# Altium PCB Reefing.PcbDoc (part 2 of 2)
Units mil, origin at the board's own origin, x right, y up, seen from the top; angles counter-clockwise.
Board outline 1377.95 x 1968.5 mil, 6 copper layers (Top Layer, Mid Layer 1 (GND), Mid Layer 2 (SIG), Mid Layer 3 (PWR), Mid Layer 4 (GND), Bottom Layer), stack 62.874 mil thick; 159 components, 99 nets, 548 pads, 266 vias.
Unrouted connection lines stored in the file: 4.
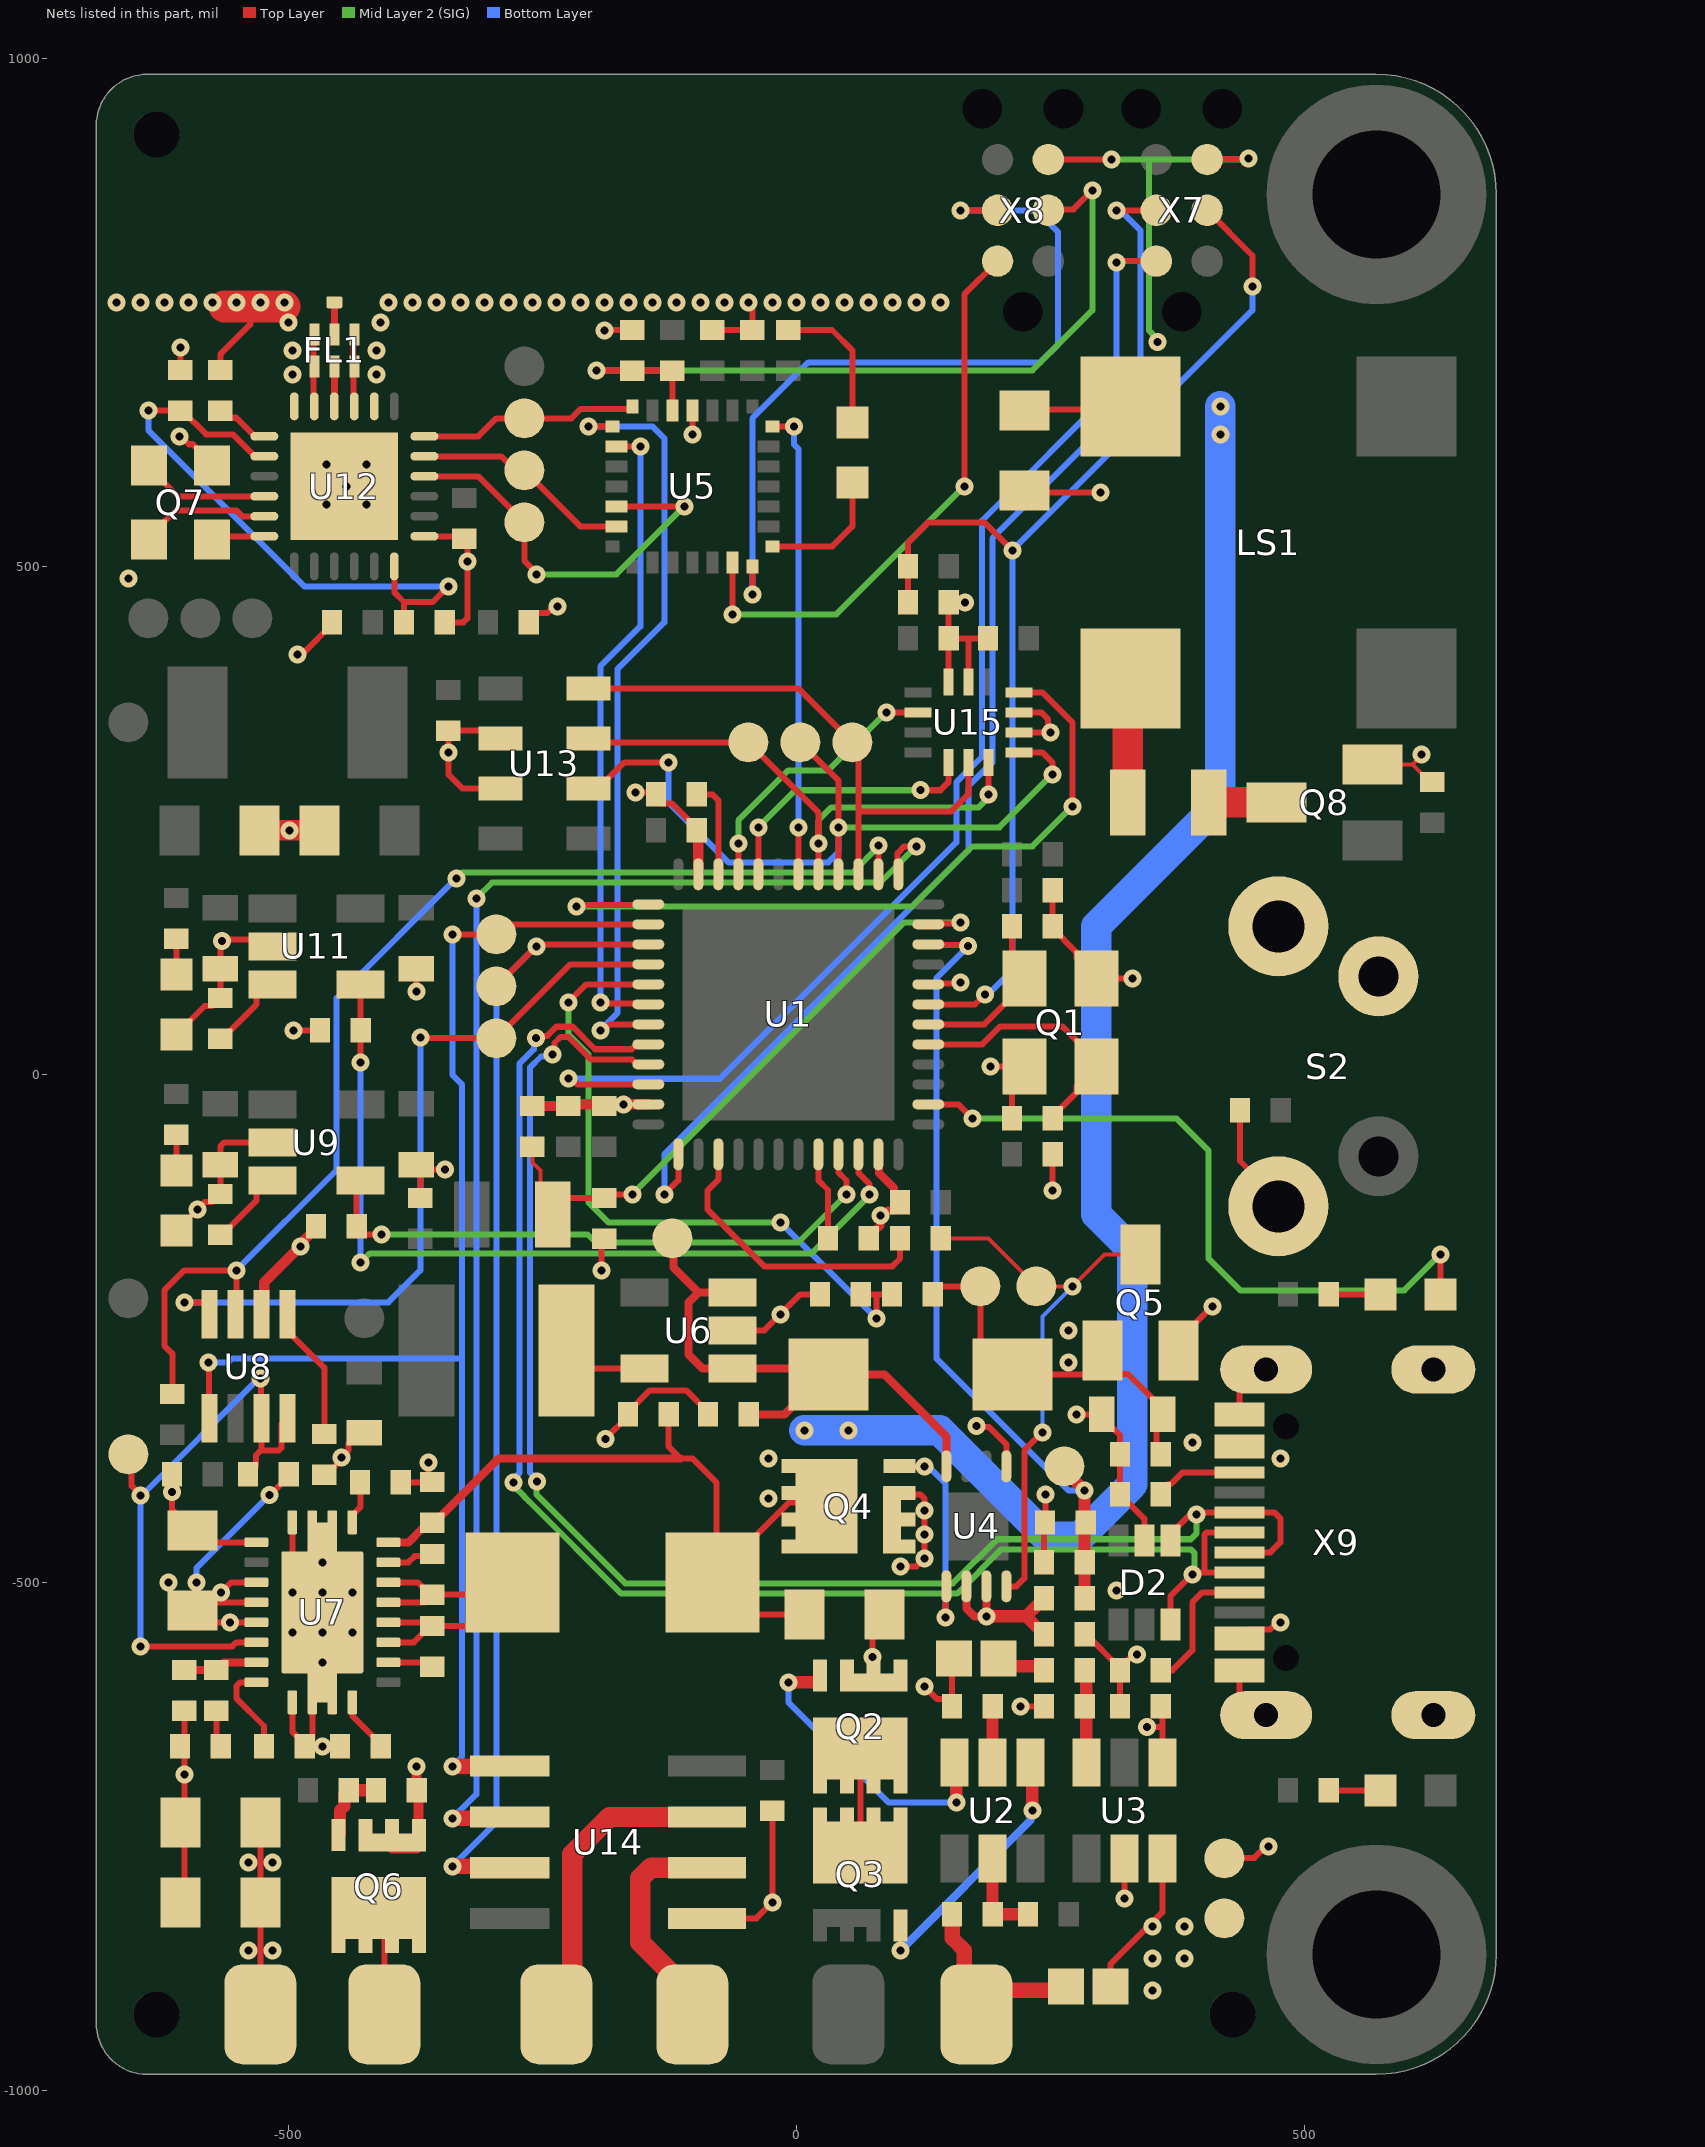
[diagram p6: the nets of this part, all layers, seen from the top]

## Via types
v1: diameter 17.72, hole 7.87, Top Layer to Bottom Layer, tented both sides, 258 vias
v2: diameter 17.72, hole 7.87, Top Layer to Bottom Layer, 8 vias

## Nets (pads, with @x,y where several pads share a name; then routed paths per layer and width w, separated by ;. In a path a pad name is that pad's centre, name@x,y a point inside that pad or via, vN(x,y) a via of type N, cw(c..) or ccw(c..) an arc to the next point about the centre after c; other vN are vias at no path point) (continued)
GND: C1.1 C2.1 C3.1 C4.1 C5.1 C6.1 C7.1 C8.1 C9.1 C10.1 C11.1 C13.1 C14.1 C15.1 C16.1 C17.1 C18.1 C19.1 C20.1 C21.1 C22.1 C23.1 C25.1 C26.1 C27.1 C28.1 C29.1 C30.1 C31.1 C32.1 C33.1 C34.1 C35.1 C36.1 C37.1 C38.1 C39.1 C40.1 C41.1 C42.1 C43.1 C44.1 C45.1 C46.1 C47.1 C48.1 C49.1 C50.1 C51.1 C52.1 D2.2 FL1.1 FL1.3 FL1.4 FL1.6 JP2.2 P4.K P6.K Q1.3 Q2.S Q5.S Q6.S Q7.3 Q8.S R3.1 R7.1 R8.1 R10.1 R12.1 R19.1 R20.1 R21.1 R24.1 R25.1 R29.1 R30.1 R32.1 R33.1 R34.2 R36.1 R38.1 S2.1 S2.3 TP7.1 U1.8 U1.23 U1.35 U1.47 U3.2 U4.5 U5.4 U6.2 U7.11 U7.12 U7.20 U7.21 U8.2 U9.2 U11.2 U12.0 U12.5 U12.13 U12.20 U12.21 U12.23 U12.24 U13.2 U13.3 U14.1 U15.2 U15.3 U15.6 U15.7 X7.5 X8.5 X9.A1B12 X9.B1A12 X9.G1 X9.G2 X9.G3 X9.G4 | length 5370.4
  Top Layer w4: U12.0@-480.32,614.17 U12.0@-444.88,578.74 ; v1(-462.6,561.02) U12.0@-444.88,578.74 ; U12.0@-462.6,598.79 v1(-462.6,600.39) ; U12.0@-444.88,614.17 U12.0@-444.88,578.74 ; v1(-423.23,561.02) -440.94,578.74 v1(-442.54,578.74) ; v1(-423.23,600.39) -442.54,581.08 v1(-442.54,578.74) ; Q8.S@566.93,305.12 606.58,305.12 ; v1(615.16,314.96) 615.16,313.69 606.58,305.12 ; R36.1@625.98,287.72 623.98,287.72 606.58,305.12 ; U12.0@-444.88,578.74 v1(-442.54,578.74)
  Top Layer w6: Q7.3@-637.3,526.57 -637.3,528.54 -610.73,555.12 -551.18,555.12 -545.28,549.21 U12.5@-523.62,549.21 ; v1(-614.49,-410.94) -614.49,-428.19 -594.49,-448.19 -582.05,-460.63 U7.12@-531.5,-460.63 ; P4.K@-610.24,-153.54 -582.49,-125.8 -574.93,-125.8 R25.1@-566.93,-117.8 C32.1@-566.93,-89.06 -566.93,-70.87 -562.99,-66.93 U9.2@-515.75,-66.93 ; P6.K@-610.24,39.37 -582.49,67.12 -574.93,67.12 R30.1@-566.93,75.12 -566.93,129.36 -563.41,132.87 -522.64,132.87 U11.2@-515.75,125.98 ; v1(-607.28,627.95) -605.73,627.95 -597.91,620.14 -594.05,620.14 -575.3,601.38 Q7.3@-575.3,599.41 ; C22.1@-606.93,-814.96 -602.36,-810.39 C25.1@-602.36,-626.3 ; C39.1@-606.3,693.23 v1(-606.3,715.55) ; C40.1@-566.93,693.23 -566.93,708.66 -537.4,738.19 -537.4,759.84 ; U7.20@-496.06,-618.11 -496.06,-647.29 -483.94,-659.42 R19.1@-483.94,-661.42 ; U7.11@-496.06,-440.94 -496.06,-500 U7.21@-466.54,-529.53 ; v1(-495.08,43.31) R29.1@-468.82,43.31 ; v1(-491.14,413.39) -488.9,415.63 -484.26,415.63 -457.01,442.88 C37.1@-457.01,444.88 ; U7.21@-476.38,-618.11 -476.38,-653.86 R19.1@-483.94,-661.42 ; FL1.6@-476.38,728.35 -475.3,727.27 -475.3,658.37 U12.23@-474.41,657.48 ; R21.1@-464.57,-394.02 -462.57,-394.02 -447.63,-379.08 v1(-447.63,-377.08) -440.7,-370.15 -440.7,-363.33 -430.2,-352.83 C20.1@-425.2,-352.83 ; C27.1@-449.13,-663.42 C27.1@-449.13,-661.42 R19.1@-483.94,-661.42 ; FL1.4@-437.01,728.35 -435.93,727.27 -435.93,658.37 U12.21@-435.04,657.48 ; C28.1@-389.45,-401.57 -358.58,-401.57 C26.1@-358.27,-401.26 -356.27,-401.26 -349.32,-394.31 -362.15,-394.31 -362.2,-394.26 v1(-362.2,-381.89) ; C31.1@-374.02,-89.06 C31.1@-370.08,-92.99 ; v1(-374.02,81.69) C35.1@-374.02,103.86 ; C49.1@-370.08,-121.73 C31.1@-370.08,-92.99 ; U12.13@-366.14,529.53 -329.06,529.53 C41.1@-326.77,527.24 -323.82,524.29 -323.82,448.82 -327.76,444.88 C38.1@-346.14,444.88 ; v1(-345.79,-93.5) -369.57,-93.5 C31.1@-370.08,-92.99 ; U13.3@-291.34,281.5 -328.74,281.5 -342.52,295.28 C44.1@-342.52,338.27 -298.9,338.27 U13.2@-291.34,330.71 ; C34.1@-263.46,444.88 -263.46,446.88 -256.46,453.88 -245.15,453.88 -238.41,460.63 v1(-235.24,460.63) ; v1(-191.93,-193.04) -191.93,-164.68 R38.1@-188.98,-161.73 ; v1(-188.98,732.28) -188.66,732.6 C17.1@-161.42,732.6 ; v1(-187.86,-358.83) -165.67,-336.65 -165.67,-332.65 -144.05,-311.02 -108.55,-311.02 -86.93,-332.65 C18.1@-86.93,-334.65 ; v1(-158.46,277.56) -140.08,277.56 C10.1@-138.11,275.59 -138.11,273.59 -131.11,266.59 -122.54,266.59 -98.11,242.16 C6.1@-98.11,240.16 C6.1@-96.46,238.5 ; v1(-102.36,629.92) U5.4@-102.36,653.54 ; U14.1@-87.99,-830.91 -87.8,-830.71 -39.37,-830.71 v1(-23.62,-814.96) C45.1@-23.62,-724.72 ; C16.1@-82.68,732.6 C15.1@-43.31,732.6 v1@-43.31,751.97 ; U6.2@-62.99,-251.97 -31.5,-251.97 v1(-15.75,-236.22) 3.94,-216.54 R34.2@23.31,-216.54 ; Q2.S@76.43,-604.44 74.8,-602.82 74.8,-543.94 C50.1@87.24,-531.5 ; v1(125.98,-602.36) 138.61,-614.99 146.23,-614.99 R8.1@153.23,-621.99 ; U1.8@129.92,88.58 130.66,89.32 160.18,89.32 v1(161.42,90.55) ; U15.7@149.61,385.99 149.61,428.82 C46.1@149.92,429.13 ; R8.1@153.23,-622.05 R8.1@153.23,-621.99 ; JP2.2@155.17,-574.8 153.23,-576.74 R8.1@153.23,-621.99 ; v1(166.06,464.57) C9.1@149.92,464.57 C46.1@149.92,429.13 ; U15.6@169.29,385.99 169.29,427.17 ; v1(177.53,-346.09) 178.62,-347.18 189.7,-347.18 206.69,-364.17 U4.5@206.69,-385.83 ; C47.1@184.72,429.13 C46.1@149.92,429.13 ; v1(190.94,7.87) Q1.3@224.41,7.87 212.28,-4.25 C7.1@212.28,-43.31 ; U15.2@219,336.62 v1(250,336.61) 247.76,338.86 247.76,349.68 241.14,356.3 U15.3@219,356.3 ; v1(220.47,-622.05) R7.1@243.78,-622.05 ; C48.1@224.41,574.17 225.75,572.83 v1(299.21,572.83) ; R10.1@243.78,-480.31 243.78,-442.12 245.17,-440.73 v1(245.17,-413.74) ; X8.5@248.03,900.39 309.84,900.39 v1(310.04,900.59) ; v1(251.97,-114.17) 251.97,-79.06 C5.1@252.28,-78.74 ; C1.1@252.28,181.1 C8.1@252.28,145.67 252.28,143.67 275.62,120.33 275.62,114.14 Q1.3@295.28,94.49 v1(330.71,94.49) ; v1(275.59,-334.65) C33.1@300.71,-334.65 300.71,-339.65 310.21,-349.15 312.46,-349.15 318.58,-355.27 R32.1@318.58,-413.39 342.51,-437.32 D2.2@342.51,-458.66 ; C14.1@283.78,-551.18 285.15,-551.18 R33.1@318.58,-584.61 ; C11.1@318.58,-622.05 R33.1@318.58,-586.61 R33.1@318.58,-584.61 ; v1(322.83,-811.02) U3.2@322.83,-771.65 ; v1(335.22,-570.95) 332.25,-570.95 R33.1@318.58,-584.61 ; Q5.S@375.98,-271.65 375.98,-261.81 v1(409.45,-228.35) ; X7.5@404.33,900.39 404.92,900.98 444.29,900.98 v1(444.88,901.57) ; TP7.1@421.26,-771.65 421.62,-771.29 450.76,-771.29 462.21,-759.84 v1(464.57,-759.84) ; X9.A1B12@436.02,-586.61 436.02,-611.66 455.08,-630.71 X9.G2@462.4,-630.71 ; X9.B1A12@436.02,-334.65 436.02,-309.6 455.08,-290.55 X9.G4@462.4,-290.55 ; C51.1@436.69,-35.43 436.69,-85.31 474.41,-123.03 S2.1@474.41,-129.92
  Top Layer w8: R3.1@71.18,-161.42 71.18,-159.42 77.18,-153.42 77.99,-153.42 82.68,-148.73 82.68,-145.35 v1@85.96,-142.07 ; U1.47@80.71,-78.74 81.06,-79.09 81.06,-91.22 81.23,-91.39 81.23,-96.98 96.05,-111.8 96.05,-119.98 C4.1@102.05,-125.98 102.05,-127.98 96.05,-133.98 90.1,-133.98 85.31,-138.78 v1(82.68,-138.78)
  Top Layer w10: U8.2@-526.57,-236.22 -523.7,-233.35 -523.7,-204.8 v1(-488.19,-169.29) -486.71,-167.81 -486.71,-165.56 -472.76,-151.61 R24.1@-472.76,-149.61 ; Q6.S@-397.64,-761.81 -373.39,-761.81 -373.39,-756.7 Q6.S@-371.5,-754.81 ; v1(-374.02,-681.1) -373.86,-681.26 -373.86,-704.57 R20.1@-373.58,-704.84 ; R20.1@-373.7,-704.72 R20.1@-373.58,-704.84 ; Q6.S@-369.89,-747.05 -371.78,-745.16 -371.78,-706.65 R20.1@-373.58,-704.84 ; C52.1@-259.84,-31.18 C2.1@-224.41,-31.18 -222.76,-29.53 C3.1@-178.8,-29.53 ; C3.1@-188.98,-31.18 -188.15,-30.35 -179.63,-30.35 C3.1@-178.8,-29.53 ; U1.35@-145.67,-29.53 C3.1@-178.8,-29.53 ; U1.23@-96.46,196.85 C6.1@-96.46,238.5
  Top Layer w20: C42.1@-527.56,240.16 C43.1@-469.76,240.16
  Top Layer w31.5: -562.99,755.91 -537.4,755.91 v1@-503.94,755.91
  Mid Layer 2 (SIG) w6: v1(310.04,900.59) 350.39,900.59 443.9,900.59 v1(444.88,901.57) ; 346.98,897.18 346.98,732.21 355.47,723.72 v1(355.47,720.55)
  other v1: -602.36,-688.98 -466.54,-661.42 74.8,-573.38 314.96,-507.87 -589.57,-132.87 -170.28,-29.53 -565.17,131.12 -498.66,240.16 -342.52,316.77 -657.48,488.19 -323.82,504.92 -496.06,688.98 -413.39,688.98 -496.06,712.6 -413.39,712.6 -500,740.16 -409.45,740.16 -669.29,759.84 -645.67,759.84 -622.05,759.84 -598.43,759.84 -574.8,759.84 -551.18,759.84 -527.56,759.84 -503.94,759.84 -401.57,759.84 -377.95,759.84 -354.33,759.84 -330.71,759.84 -307.09,759.84 -283.46,759.84 -259.84,759.84 -236.22,759.84 -212.6,759.84 -188.98,759.84 -165.35,759.84 -141.73,759.84 -118.11,759.84 -94.49,759.84 -70.87,759.84 -47.24,759.84 -23.62,759.84 0,759.84 23.62,759.84 47.24,759.84 70.87,759.84 94.49,759.84 118.11,759.84 141.73,759.84
  other v2: -466.54,-578.74 -496.06,-549.21 -466.54,-549.21 -437.01,-549.21 -496.06,-509.84 -466.54,-509.84 -437.01,-509.84 -466.54,-480.32
IMU_CS: U1.20 U15.12 | length 271.1
  Top Layer w6: U1.20@-37.4,196.85 v1(-37.4,243.11) ; v1(122.05,279.64) 141.84,279.64 149.61,287.4 U15.12@149.61,306.93
  Mid Layer 2 (SIG) w6: v1(-37.4,243.11) -0.87,279.64 v1(122.05,279.64)
IMU_INT1: U1.25 U15.4 | length 748.2
  Top Layer w6: v1(-216.54,165.35) -215.3,166.59 -146.4,166.59 U1.25@-145.67,167.32 ; U15.4@219,375.99 242.12,375.99 271.65,346.46 v1(271.65,263.78)
  Mid Layer 2 (SIG) w6: v1(-216.54,165.35) 114.17,165.35 173.23,224.41 232.28,224.41 v1(271.65,263.78)
IMU_INT2: U1.21 U15.9 | length 273.9
  Top Layer w6: U1.21@-57.09,196.85 v1(-57.09,227.36) ; v1(88.58,356.3) U15.9@119.59,356.3
  Mid Layer 2 (SIG) w6: v1(-57.09,227.36) -57.09,250 -7.87,299.21 31.5,299.21 v1(88.58,356.3)
LED: P3.K U5.22 | length 130.2
  Top Layer w6: U5.22@-23.62,519.69 35.43,519.69 55.12,539.37 P3.K@55.12,582.68
LIGHT: C52.2 Q9.K R38.2 U1.11 | length 626.5
  Top Layer w4: C52.2@-259.84,-71.18 -259.84,-86.61 -251.97,-94.49 -251.97,-124.79 Q9.K@-239.53,-137.23
  Top Layer w6: Q9.K@-239.53,-137.23 -224.03,-121.73 R38.2@-188.98,-121.73 -185.35,-118.11 v1(-161.42,-118.11) ; U1.11@129.92,147.64 130.66,148.37 160.18,148.37 v1(161.42,149.61)
  Mid Layer 2 (SIG) w6: v1(-161.42,-118.11) 106.3,149.61 v1(161.42,149.61)
MISO1: TP18.1 U5.12 U12.16 | length 413.6
  Top Layer w6: U12.16@-366.14,588.58 -312.99,588.58 TP18.1@-267.72,543.31 -267.72,505.57 -255.91,493.76 v1(-255.91,492.13) ; U5.12@-177.17,559.06 v1(-110.24,559.06)
  Mid Layer 2 (SIG) w6: v1(-255.91,492.13) -177.17,492.13 v1(-110.24,559.06)
MOSI1: TP19.1 U5.13 U12.17 | length 217.5
  Top Layer w6: U12.17@-366.14,608.27 -290.53,608.27 -276.75,594.49 TP19.1@-267.72,594.49 -212.6,539.37 U5.13@-177.17,539.37
NetANT1_1: ANT1.1 FL1.5 | length 31.5
  Top Layer w6.79: FL1.5@-454.72,728.35 ANT1.1@-454.72,759.84
NetC7_2: C7.2 Q1.1 U1.5 | length 261.4
  Top Layer w6: U1.5@129.92,29.53 183.07,29.53 200.79,47.24 261.81,47.24 295.28,13.78 Q1.1@295.28,7.87 275.62,-11.78 275.62,-17.97 252.28,-41.31 C7.2@252.28,-43.31
NetC8_2: C8.2 Q1.2 U1.6 | length 172.9
  Top Layer w6: U1.6@129.92,49.21 185.04,49.21 224.41,88.58 Q1.2@224.41,94.49 212.28,106.61 C8.2@212.28,145.67
NetC10_2: C10.2 U1.22 | length 96.6
  Top Layer w6: C10.2@-98.11,275.59 -82.68,275.59 -76.77,269.68 U1.22@-76.77,196.85
NetC12_2: C12.2 R5.2 U2.5 | length 90.1
  Top Layer w12: U2.5@192.91,-771.65 193.23,-771.97 R5.2@193.23,-826.77 C12.2@228.03,-826.77
NetC17_2: C17.2 R14.1 U5.5 X8.3 | length 796.5
  Top Layer w6: v1(-196.85,692.91) -161.73,692.91 C17.2@-161.42,692.6 R14.1@-122.05,692.6 U5.5@-122.05,653.54 U5.5@-122.05,653.23 ; X8.3@248.03,850.39 248.9,851.26 272.52,851.26 v1(291.34,870.08)
  Mid Layer 2 (SIG) w6: v1(-196.85,692.91) 232.28,692.91 291.34,751.97 v1(291.34,870.08)
NetC24_1: C24.1 U7.8 | length 46.7
  Top Layer w6: U7.8@-401.57,-480.32 -381.89,-480.32 -375.75,-474.18 -360.32,-474.18 C24.1@-358.27,-472.13
NetC24_2: C24.2 L2.2 R16.2 U7.4 U7.5 U7.6 U7.7 | length 352.7
  Top Layer w6: U7.4@-401.57,-559.06 -376.33,-559.06 -360.27,-542.99 R16.2@-358.27,-542.99 ; U7.5@-401.57,-539.37 -361.89,-539.37 R16.2@-358.27,-542.99 ; U7.6@-401.57,-519.69 -365.83,-519.69 C24.2@-358.27,-512.13 ; U7.7@-401.57,-500 -372.39,-500 -360.27,-512.13 C24.2@-358.27,-512.13 ; L2.2@-279.53,-500 L2.2@-291.65,-512.13 ; R16.2@-358.27,-542.99 -322.52,-542.99 L2.2@-291.65,-512.13 ; C24.2@-358.27,-512.13 L2.2@-291.65,-512.13
NetC25_2: C25.2 R18.2 U7.18 | length 74
  Top Layer w8: C25.2@-602.36,-586.3 R18.2@-570.87,-586.3 -563.31,-578.74 U7.18@-531.5,-578.74
NetC27_2: C27.2 U7.1 | length 54.9
  Top Layer w6: U7.1@-437.01,-618.11 -437.01,-631.54 -409.13,-659.42 C27.2@-409.13,-661.42
NetC28_2: C28.2 U7.10 | length 42.8
  Top Layer w6: U7.10@-437.01,-440.94 -437.01,-433.86 -429.13,-425.98 -429.13,-401.89 C28.2@-429.45,-401.57
NetC29_2: C29.2 R18.1 | length 36.9
  Top Layer w6: R18.1@-570.87,-626.3 -570.87,-657.17 C29.2@-566.61,-661.42
NetC38_2: C38.2 C39.2 U12.2 U12.12 | length 620.6
  Top Layer w6: v1(-637.8,653.54) -606.61,653.54 C39.2@-606.3,653.23 -604.3,653.23 -580.99,629.92 -554.72,629.92 -533.94,609.14 -524.49,609.14 U12.2@-523.62,608.27 ; U12.12@-395.67,500 -395.67,474.41 -386.14,464.88 ; C38.2@-386.14,444.88 -386.14,464.88 ; v1(-342.52,480.32) -357.95,464.88 -386.14,464.88
  Bottom Layer w6: v1(-637.8,653.54) -637.8,633.86 -484.25,480.32 v1(-342.52,480.32)
NetC40_2: C40.2 U12.1 | length 53.8
  Top Layer w6: C40.2@-566.93,653.23 -559.93,646.23 -551.35,646.23 -533.07,627.95 U12.1@-523.62,627.95
NetFL1_2: FL1.2 U12.22 | length 39.4
  Top Layer w6.79: U12.22@-454.72,657.48 FL1.2@-454.72,696.85
NetJP1_2: JP1.2 R5.1 X1.1 | length 168.1
  Top Layer w15: R5.1@153.23,-826.77 153.48,-827.03 153.48,-850.34 165.35,-862.2 165.35,-901.57 JP1.2@253.59,-901.57
NetJP2_1: JP2.1 R6.1 | length 49.5
  Top Layer w12: JP2.1@199.17,-574.8 207.04,-582.68 239.84,-582.68 R6.1@243.78,-586.61
NetL1_1: L1.1 U6.5 | length 84.1
  Top Layer w6: L1.1@-226.38,-271.65 -208.66,-289.37 U6.5@-149.61,-289.37
NetLS1_2: LS1.2 R37.2 | length 123.1
  Top Layer w4: LS1.2@326.14,387.17 LS1.2@328.74,389.76
  Top Layer w30: R37.2@326.14,267.72 LS1.2@326.14,387.17
NetP1_A: P1.A R1.1 | length 50.9
  Top Layer w6: R1.1@523.94,-216.54 P1.A@574.8,-216.54
NetP1_K: P1.K U1.2 | length 696.1
  Top Layer w6: U1.2@129.92,-29.53 159.45,-29.53 v1(173.23,-43.31) ; P1.K@633.86,-216.54 v1(633.86,-177.17)
  Mid Layer 2 (SIG) w6: v1(173.23,-43.31) 374.02,-43.31 405.51,-74.8 405.51,-181.1 437.01,-212.6 598.43,-212.6 v1(633.86,-177.17)
NetP2_A: P2.A R4.1 | length 50.9
  Top Layer w6: R4.1@523.94,-704.72 P2.A@574.8,-704.72
NetP3_A: P3.A R13.1 | length 142.1
  Top Layer w6: R13.1@-7.87,732.6 35.12,732.6 55.12,712.6 P3.A@55.12,641.73
NetP4_A: P4.A R22.1 | length 35.1
  Top Layer w6: P4.A@-610.24,-94.49 R22.1@-610.24,-59.37
NetP6_A: P6.A R28.1 | length 35.1
  Top Layer w6: P6.A@-610.24,98.42 R28.1@-610.24,133.54
NetQ2_D: Q2.D Q3.D | length 106.3
  Top Layer w6: Q3.D@63,-763.78 Q2.D@63,-657.49
NetQ2_G: Q2.G U2.3 | length 297.7
  Top Layer w6: Q2.G@22.44,-598.43 Q2.G@23.43,-597.44 ; U2.3@155.51,-677.17 U2.3@157.48,-679.13
  Top Layer w12: v1(-7.87,-598.43) Q2.G@22.44,-598.43 ; v1(157.48,-716.54) U2.3@157.48,-679.13
  Bottom Layer w6: v1(-7.87,-598.43) -7.87,-618.11 90.55,-716.54 v1(157.48,-716.54)
NetQ3_G: Q3.G U2.1 | length 239.7
  Top Layer w6: U2.1@230.32,-677.17 U2.1@232.28,-679.13
  Top Layer w12: v1(232.28,-724.41) U2.1@232.28,-679.13
  Bottom Layer w8: v1(102.36,-862.2) 230.42,-734.14 230.42,-726.27 v1(232.28,-724.41)
NetQ4_G: Q4.G U4.1 | length 222.6
  Top Layer w6: Q4.G@95.47,-385.62 95.68,-385.83 v1(125.98,-385.83) ; v1(146.65,-534.45) 146.65,-504.93 U4.1@147.63,-503.94
  Bottom Layer w6: v1@125.98,-381.89 146.65,-402.56 v1(146.65,-534.45)
NetQ5_D: Q5.D R11.1 TP12.1 U4.4 | length 558.5
  Top Layer w4: R11.1@142.05,-161.42 188.98,-161.42 TP12.1@236.22,-208.66 v1(271.65,-208.66) 303.15,-177.17 Q5.D@338.58,-177.17
  Top Layer w6: U4.4@207.68,-504.92 U4.4@206.69,-503.94 216.54,-503.94 224.41,-496.06 224.41,-370.08 v1(242.13,-352.36)
  Bottom Layer w4: v1(242.13,-352.36) 242.13,-238.19 v1(271.65,-208.66)
NetQ6_D: Q6.D X4.1 | length 119.7
  Top Layer w6: Q6.D@-411.07,-814.85 Q6.D@-407.13,-818.79 ; X4.1@-405.51,-925.2 Q6.D@-405.51,-811.03
NetQ6_G: Q6.G R20.2 R23.2 | length 72.7
  Top Layer w12: Q6.G@-449.02,-747.05 -449.02,-724.61 -444.88,-720.47 -444.88,-708.98 R23.2@-440.63,-704.72 R20.2@-413.7,-704.72
NetQ7_1: Q7.1 U12.4 | length 127.5
  Top Layer w6: Q7.1@-637.3,599.41 -637.3,597.44 -608.76,568.9 U12.4@-523.62,568.9
NetQ7_2: Q7.2 U12.6 | length 52.9
  Top Layer w6: Q7.2@-575.3,526.57 -572.34,529.53 U12.6@-523.62,529.53
NetQ8_D: Q8.D R37.1 | length 66.3
  Top Layer w30: R37.1@406.14,267.72 Q8.D@472.44,267.72
NetR3_2: R3.2 U1.44 | length 86.6
  Top Layer w6: U1.44@21.65,-78.74 21.65,-104.33 31.18,-113.86 R3.2@31.18,-161.42
NetR6_2: R6.2 R7.2 U3.6 | length 91.2
  Top Layer w12: R6.2@283.78,-586.61 285.43,-588.27 U3.6@285.43,-677.17
NetR8_2: R8.2 U2.2 | length 55.2
  Top Layer w6: U2.2@192.91,-677.17 U2.2@193.23,-676.85
  Top Layer w12: U2.2@193.23,-676.85 R8.2@193.23,-622.05
NetR15_1: R15.1 TP14.1 U7.17 U8.7 U8.8 | length 628.3
  Top Layer w6: TP14.1@-657.48,-374.02 -654.33,-377.17 -654.33,-405.16 -645.67,-413.82 v1(-645.67,-414.53) ; v1(-645.67,-562.99) -555.12,-562.99 -551.18,-559.06 U7.17@-531.5,-559.06 ; R15.1@-539.68,-393.7 -531.68,-385.7 -531.68,-374.7 -526.57,-369.59 ; v1(-527.56,-299.21) -527.07,-299.7 -527.07,-338.09 U8.7@-526.57,-338.58 -526.57,-369.59 ; U8.8@-500.98,-338.58 -506.86,-344.46 -506.86,-367.74 -509.2,-370.08 -526.09,-370.08 -526.57,-369.59
  Bottom Layer w6: v1(-645.67,-562.99) v1(-645.67,-414.53) -644.27,-414.53 -528.95,-299.21 v1(-527.56,-299.21)
NetR16_1: R16.1 U7.3 | length 45.1
  Top Layer w6: U7.3@-401.57,-578.74 -362.52,-578.74 R16.1@-358.27,-582.99
NetR19_2: R19.2 U7.19 | length 91.7
  Top Layer w6: U7.19@-531.5,-598.43 -531.76,-598.69 -547.67,-598.69 -551.18,-602.2 -551.18,-614.17 -523.94,-641.42 R19.2@-523.94,-661.42
NetR21_2: R21.2 U8.1 | length 132.9
  Top Layer w6: U8.1@-500.98,-236.22 -500.98,-252.36 -464.57,-288.78 R21.2@-464.57,-354.02
NetR25_2: R25.2 U9.3 | length 81.6
  Top Layer w6: R25.2@-566.93,-157.8 -564.93,-157.8 -531.5,-124.36 -531.5,-110.24 -525.59,-104.33 U9.3@-515.75,-104.33
NetR30_2: R30.2 U11.3 | length 81.6
  Top Layer w6: R30.2@-566.93,35.12 -564.93,35.12 -531.5,68.55 -531.5,82.68 -525.59,88.58 U11.3@-515.75,88.58
NetR32_2: R32.2 X9.B5 | length 87.6
  Top Layer w6: R32.2@358.58,-413.39 358.58,-411.39 366.58,-403.39 368.58,-403.39 380.24,-391.73 X9.B5@436.02,-391.73
NetR33_2: R33.2 X9.A5 | length 136.9
  Top Layer w6: R33.2@358.58,-586.61 370.08,-586.61 389.76,-566.93 389.76,-519.68 399.61,-509.84 X9.A5@436.02,-509.84
NetU5_20: U5.20 X8.2 | length 566.9
  Top Layer w6: v1(-62.99,452.76) U5.20@-62.99,503.94 ; v1(165.35,578.74) 165.35,767.72 X8.2@198.03,800.39
  Mid Layer 2 (SIG) w6: v1(-62.99,452.76) 39.37,452.76 v1(165.35,578.74)
NetU5_21: U5.21 X8.4 | length 784.2
  Top Layer w6: v1(-43.31,472.44) U5.21@-43.31,500 ; v1(161.42,850.39) X8.4@198.03,850.39
  Bottom Layer w6: v1(-43.31,472.44) -43.31,645.67 11.81,700.79 240.16,700.79 257.62,718.25 257.62,828.99 236.22,850.39 v1(161.42,850.39)
NetU14_2: U14.2 X6.1 | length 224.9
  Top Layer w20: X6.1@-102.36,-925.2 -102.36,-905.51 -153.54,-854.33 -153.54,-791.34 -143.11,-780.91 U14.2@-87.99,-780.91
NetU14_3: U14.3 X5.1 | length 311.7
  Top Layer w20: X5.1@-236.22,-925.2 -220.47,-909.45 -220.47,-767.72 -183.66,-730.91 U14.3@-87.99,-730.91
P_EN_CUT: R24.2 U1.45 U9.4 | length 598.9
  Top Layer w6: U9.4@-429.13,-104.33 -432.76,-107.95 -432.76,-151.61 -426.88,-157.48 v1(-408.46,-157.48) ; U1.45@41.34,-78.74 41.34,-96.46 49.37,-104.49 v1(49.37,-118.11)
  Mid Layer 2 (SIG) w6: v1(-408.46,-157.48) -205.52,-157.48 -197.65,-165.35 2.13,-165.35 v1(49.37,-118.11)
P_EN_RADIO: R29.2 U1.46 U11.4 | length 847.4
  Top Layer w6: v1(-429.13,11.81) -429.13,42.99 R29.2@-428.82,43.31 -428.82,88.27 U11.4@-429.13,88.58 ; U1.46@61.02,-78.74 61.02,-97.1 72.09,-108.17 v1(72.09,-118.11)
  Mid Layer 2 (SIG) w6: v1(-429.13,-185.04) -428.62,-185.04 -419.76,-176.18 15.14,-176.18 72.09,-119.23 v1(72.09,-118.11)
  Bottom Layer w6: v1(-429.13,-185.04) v1(-429.13,11.81)
P_EN_SYS: R11.2 U1.39 | length 294.6
  Top Layer w6: U1.39@-76.77,-78.74 -76.77,-103.65 -87.52,-114.4 -87.52,-132.95 -31.5,-188.98 94.49,-188.98 102.05,-181.42 R11.2@102.05,-161.42
R_CS: R17.1 U1.14 U8.3 | length 1161.9
  Top Layer w6: R17.1@-614.17,-314.65 -614.17,-274.9 -622.05,-267.03 -622.05,-212.6 -602.36,-192.91 v1(-551.18,-192.91) -551.18,-235.24 U8.3@-552.17,-236.22 ; U1.14@80.71,196.85 v1(80.71,225.39)
  Mid Layer 2 (SIG) w6: v1(-334.65,192.91) -328.9,198.66 55.58,198.66 80.71,223.79 v1(80.71,225.39)
  Bottom Layer w6: v1(-551.18,-192.91) -452.43,-94.16 -452.43,75.13 v1(-334.65,192.91)
RF_INT1: U1.18 U5.28 | length 467
  Top Layer w6: U5.28@-23.62,637.8 v1(-2.24,637.8) ; U1.18@1.97,196.85 1.97,224.41 v1(1.97,243.11) v1@1.97,246.06
  Bottom Layer w6: v1(-2.24,637.8) -2.24,619.81 1.97,615.61 v1(1.97,243.11)
RST: C9.2 R2.1 U1.7 X7.3 | length 1141.9
  Top Layer w6: C9.2@109.92,464.57 R2.1@109.92,500 109.92,523.31 129.92,543.31 185.04,543.31 v1(212.6,515.75) ; U1.7@129.92,68.9 175.88,68.9 v1(185.73,78.74) ; X7.3@404.33,850.39 448.82,805.91 v1(448.82,775.59)
  Bottom Layer w6: v1(185.73,78.74) 188.9,78.74 212.6,102.44 v1(212.6,515.75) 448.82,751.97 v1(448.82,775.59)
RX2: U1.30 U5.9 | length 635.2
  Top Layer w6: v1(-192.91,70.87) -191.68,69.63 -146.4,69.63 U1.30@-145.67,68.9 ; U5.9@-177.17,618.11 v1(-153.54,618.11)
  Bottom Layer w6: v1(-192.91,70.87) -192.91,401.57 -153.54,440.94 v1(-153.54,618.11)
SCK1: TP20.1 U5.7 U12.18 | length 216.4
  Top Layer w6: U12.18@-366.14,627.95 -312.99,627.95 -295.28,645.67 TP20.1@-267.72,645.67 -221.46,645.67 -212.48,654.65 -162.84,654.65 U5.7@-161.42,653.23
SPI1_MISO: TP2.1 U1.16 U13.6 U15.1 | length 775.7
  Top Layer w6: U13.6@-204.72,281.5 -194.88,281.5 -169.29,307.09 v1(-125.98,307.09) ; TP2.1@3.94,326.77 41.34,289.37 v1(41.34,243.11) U1.16@41.34,196.85 ; U15.1@219,316.93 242.12,316.93 251.97,307.09 v1(251.97,295.28)
  Mid Layer 2 (SIG) w6: v1(41.34,243.11) 199.8,243.11 v1(251.97,295.28)
  Bottom Layer w6: v1(-125.98,307.09) -125.98,267.72 -66.93,208.66 31.5,208.66 41.34,218.5 v1(41.34,243.11)
SPI1_MOSI: TP3.1 U1.17 U13.7 U15.14 | length 551.3
  Top Layer w6: U13.7@-204.72,330.71 -200.79,326.77 TP3.1@-47.24,326.77 21.65,257.87 v1(21.65,227.36) U1.17@21.65,196.85 ; v1(188.98,275.59) U15.14@188.98,306.93
  Mid Layer 2 (SIG) w6: v1(21.65,227.36) 21.65,250 34.43,262.78 179.34,262.78 188.98,272.42 v1(188.98,275.59)
SPI1_SCK: TP1.1 U1.15 U13.8 U15.13 | length 560.8
  Top Layer w6: U13.8@-204.72,379.92 1.97,379.92 TP1.1@55.12,326.77 61.02,320.87 61.02,258.86 ; U1.15@61.02,196.85 61.02,225.39 61.02,258.86 ; U15.13@169.29,306.93 169.29,275.59 152.56,258.86 61.02,258.86
SPI2_MISO: TP5.1 U1.27 U14.7 | length 1163.6
  Top Layer w6: TP5.1@-295.28,86.61 -253.94,127.95 U1.27@-145.67,127.95 ; U14.7@-283.46,-779.53 U14.7@-282.09,-780.91
  Top Layer w15: v1(-338.58,-779.53) U14.7@-283.46,-779.53
  Bottom Layer w6: v1(-338.58,-779.53) -295.28,-736.22 -295.28,86.61 v1(-255.91,125.98)
SPI2_MOSI: TP6.1 U1.28 U8.4 | length 763.2
  Top Layer w6: v1(-602.36,-224.41) -582.63,-224.41 -577.76,-229.28 U8.4@-577.76,-236.22 ; v1(-370.08,36.42) -369.59,35.93 -295.77,35.93 TP6.1@-295.28,35.43 -222.44,108.27 U1.28@-145.67,108.27
  Bottom Layer w6: v1(-602.36,-224.41) -401.57,-224.41 -370.08,-192.91 v1(-370.08,36.42)
SPI2_SCK: TP4.1 U1.26 U8.5 U14.5 | length 1393.1
  Top Layer w6: v1(-578.74,-283.46) -578.25,-283.96 -578.25,-338.09 U8.5@-577.76,-338.58 ; v1(-338.58,137.8) TP4.1@-295.28,137.8 -295.18,137.89 -295.18,147.64 U1.26@-145.67,147.64 ; U14.5@-282.28,-681.1 U14.5@-282.09,-680.91
  Top Layer w15: v1(-338.58,-681.1) U14.5@-282.28,-681.1
  Bottom Layer w6: v1(-578.74,-283.46) -559.06,-283.46 -555.12,-279.53 -328.93,-279.53 ; v1(-338.58,-681.1) -328.93,-671.45 -328.93,-279.53 ; v1(-338.58,137.8) -338.58,-0.43 -328.93,-10.07 -328.93,-279.53
SWCLK: U1.37 X7.4 | length 1259.1
  Top Layer w6: v1(-129.92,-118.11) -116.14,-104.33 U1.37@-116.14,-78.74 ; v1(314.96,850.39) X7.4@354.33,850.39
  Bottom Layer w6: v1(-129.92,-118.11) -129.92,-78.74 169.29,220.47 169.29,283.46 192.91,307.09 192.91,527.56 338.61,673.26 338.61,830.68 318.9,850.39 v1(314.96,850.39)
SWDIO: U1.34 X7.2 | length 1235.8
  Top Layer w6: v1(-224.41,-3.94) -221.24,-3.94 -215.33,-9.84 U1.34@-145.67,-9.84 ; v1(314.96,799.21) 316.14,800.39 X7.2@354.33,800.39
  Bottom Layer w6: v1(-224.41,-3.94) -224.41,-4.36 -75.23,-4.36 157.48,228.35 157.48,287.4 182.91,312.83 182.91,545.12 314.96,677.17 v1(314.96,799.21)
TC_CS: U1.13 U14.6 | length 1469.1
  Top Layer w6: U14.6@-283.46,-732.28 U14.6@-282.09,-730.91 ; U1.13@100.39,196.85 99.66,197.59 99.66,217.77 106.3,224.41 v1(118.11,224.41)
  Top Layer w15: v1(-338.58,-732.28) U14.6@-283.46,-732.28
  Mid Layer 2 (SIG) w6: v1(-314.96,173.23) -299.53,188.66 82.36,188.66 v1(118.11,224.41)
  Bottom Layer w6: v1(-338.58,-732.28) -314.96,-708.66 v1(-314.96,173.23)
TX2: U1.31 U5.8 | length 761.8
  Top Layer w6: v1(-204.72,637.8) U5.8@-181.1,637.8 ; v1(-192.91,43.31) -189.74,43.31 -183.84,49.21 U1.31@-145.67,49.21
  Bottom Layer w6: v1(-204.72,637.8) -141.73,637.8 -129.92,625.98 -129.92,444.88 -176.04,398.76 -176.04,60.18 v1(-192.91,43.31)
USB_D_N: D2.6 U1.32 X9.A7 X9.B7 | length 1509.4
  Top Layer w6: v1(-256.22,35.75) -254.09,37.88 -245.1,37.88 -236.17,46.81 -220.26,46.81 -198.13,24.69 -161.93,24.69 -157.09,29.53 U1.32@-145.67,29.53 ; D2.6@368.11,-541.34 368.11,-513.78 v1(389.76,-492.13) 391.73,-490.16 401.57,-490.16 ; X9.B7@436.02,-490.16 401.57,-490.16 ; X9.A7@436.02,-450.79 403.92,-450.79 401.57,-453.13 401.57,-490.16
  Mid Layer 2 (SIG) w6: v1(-278.42,-401.57) -278.42,-404.75 -267.69,-415.47 -267.69,-415.74 -262.98,-420.46 -172.32,-511.11 158.18,-511.11 201.69,-467.6 388.22,-467.6 391.73,-471.11 391.73,-490.16 v1(389.76,-492.13)
  Bottom Layer w6: v1(-278.42,-401.57) -278.42,-398.4 -272.3,-392.28 -272.3,10.68 -258.35,24.62 -258.35,33.62 v1(-256.22,35.75)
USB_D_P: D2.1 U1.33 X9.A6 X9.B6 | length 1487.6
  Top Layer w6: v1(-240.16,19.69) -238.03,21.82 -238.03,30.81 -232.03,36.81 -224.4,36.81 -202.27,14.69 -161.93,14.69 -157.09,9.84 U1.33@-145.67,9.84 ; D2.1@368.11,-458.66 368.11,-452.76 389.76,-431.1 X9.B6@436.02,-431.1 470.47,-431.1 476.38,-437.01 476.38,-460.63 466.54,-470.47 X9.A6@436.02,-470.47
  Mid Layer 2 (SIG) w6: v1(-255.34,-401.01) -255.91,-401.57 -255.91,-413.39 -168.18,-501.11 154.04,-501.11 197.55,-457.6 388.22,-457.6 393.7,-452.12 v1(393.7,-433.07)
  Bottom Layer w6: v1(-255.34,-401.01) -255.34,-398.59 -262.3,-391.64 -262.3,6.54 -251.28,17.55 -242.29,17.55 v1(-240.16,19.69)
USB_DET: R31.2 R34.1 U1.29 | length 676.3
  Top Layer w6: v1(-224.41,70.87) -206.69,88.58 U1.29@-145.67,88.58 ; R34.1@63.31,-216.54 78.74,-216.54 ; v1(78.74,-240.16) 78.74,-216.54 ; R31.2@94.17,-216.54 78.74,-216.54
  Mid Layer 2 (SIG) w6: v1(-224.41,70.87) -224.41,39.37 -204.72,19.68 -204.72,-125.98 -185.04,-145.67 v1(-15.75,-145.67)
  Bottom Layer w6: v1(-15.75,-145.67) v1(78.74,-240.16)
V_BAT: C13.2 R9.1 R10.2 TP11.1 U1.10 | length 787.3
  Top Layer w6: U1.10@129.92,127.95 130.66,127.22 168.06,127.22 v1(169.18,126.09)
  Top Layer w12: TP11.1@267.72,-393.7 v1(283.78,-409.76) R10.2@283.78,-480.31 R9.1@283.78,-515.75
  Bottom Layer w6: v1(169.18,126.09) 137.8,94.71 137.8,-279.53 268.03,-409.76 v1(283.78,-409.76)
V_CUT: C21.2 C22.2 C23.2 R15.2 U7.14 U7.15 U7.16 X2.1 | length 589.9
  Top Layer w4: v1(-618.11,-500) -618.11,-507.69 -597.61,-528.19 C21.2@-594.49,-528.19
  Top Layer w6: v1(-590.55,-500) -590.55,-524.25 C21.2@-594.49,-528.19 ; U7.16@-531.5,-539.37 v1(-557.4,-539.37) -583.31,-539.37 C21.2@-594.49,-528.19 ; U7.15@-531.5,-519.69 C21.2@-575.98,-519.69 ; U7.14@-531.5,-500 -556.3,-500 v1(-566.14,-509.84) C21.2@-575.98,-519.69 ; X2.1@-527.56,-925.2 -527.56,-736.85 C23.2@-526.93,-736.22 ; v1(-518.7,-414.15) -518.13,-414.15 -499.68,-395.7 R15.2@-499.68,-393.7 ; C21.2@-594.49,-528.19 -584.49,-528.19 C21.2@-575.98,-519.69
  Bottom Layer w6: v1(-590.55,-500) -590.55,-486 v1(-518.7,-414.15)
  other v1: -539.37,-862.2 -515.75,-862.2 -539.37,-775.59 -515.75,-775.59
VBAT: C14.2 JP1.1 Q4.S R9.2 TP10.1 U3.3 U4.2 U4.3 | length 458.7
  Top Layer w6: Q4.S@88.47,-438.62 88.47,-420.24 95.33,-413.39 122.05,-413.39 125.98,-417.32 v1(125.98,-429.13) v1(125.98,-452.76) v1(125.98,-476.38) 118.11,-484.25 v1(102.67,-484.25) ; JP1.1@309.4,-897.64 309.4,-875.64 360.24,-824.8 U3.3@360.24,-771.65
  Top Layer w8: U4.2@167.32,-503.94 167.32,-525.59 175.2,-533.46 v1(187.01,-533.46) U4.3@187.01,-503.94
  Top Layer w12: v1(187.01,-533.46) 226.06,-533.46 ; C14.2@243.78,-551.18 243.78,-549.18 239.78,-545.18 237.78,-545.18 226.06,-533.46 ; R9.2@243.78,-515.75 243.78,-517.75 239.78,-521.75 237.78,-521.75 226.06,-533.46
  other v1: 350.39,-901.57 350.39,-870.08 381.89,-870.08 350.39,-838.58 381.89,-838.58
VBUS: C11.2 C33.2 D1.A Q5.G R12.2 R31.1 TP8.1 U3.4 X9.A4B9 X9.B4A9 | length 515.3
  Top Layer w6: R31.1@134.17,-216.54 142.05,-208.66 TP8.1@181.1,-208.66 181.1,-263.78 D1.A@212.6,-295.28 Q5.G@318.9,-295.28 ; Q5.G@301.18,-271.65 301.18,-278.17 317.87,-294.85 326.35,-294.85 351.21,-319.71 351.21,-325.15 355.55,-329.49 C33.2@360.71,-334.65 ; v1@344.93,-639.74 v1(344.93,-642.46) 359.51,-642.46 360.24,-641.73 ; C11.2@351.58,-631.05 353.83,-628.8 C11.2@358.58,-628.8 ; C33.2@354.33,-330.71 354.33,-369.76 R12.2@358.58,-374.02 ; U3.4@360.24,-677.17 360.24,-641.73 ; C11.2@360.24,-628.8 360.24,-641.73 ; X9.A4B9@436.02,-555.12 444.83,-546.31 466.27,-546.31 473.21,-539.37 v1(476.38,-539.37)
  other v1: 476.38,-377.95 389.76,-362.2 267.72,-283.46 267.72,-251.97
VIN: C18.2 C19.2 C26.2 C48.2 C50.2 D1.K L2.1 LS1.1 Q4.D TP9.1 U4.8 U6.1 U6.3 U7.9 | length 2965.6
  Top Layer w6: C26.2@-358.58,-440.94 C26.2@-358.27,-441.26 C26.2@-356.27,-441.26 ; C19.2@-125.67,-334.65 -125.67,-366.46 -114.17,-377.95 -102.36,-377.95 -78.74,-401.57 L2.1@-78.74,-493.11 ; C50.2@7.24,-531.5 -51.18,-531.5 L2.1@-82.68,-500 -82.68,-497.05 L2.1@-78.74,-493.11 ; Q4.D@35.43,-421.25 -6.88,-421.25 L2.1@-78.74,-493.11 ; C48.2@224.41,654.17 325.43,654.17 LS1.1@328.74,657.48
  Top Layer w8: U7.9@-401.57,-460.63 -381.89,-460.63 -368.52,-447.26 -364.9,-447.26 C26.2@-358.58,-440.94 ; C26.2@-356.27,-441.26 -292.96,-377.95 -114.17,-377.95 ; TP9.1@-122.05,-161.42 -120.92,-162.54 -120.92,-190.1 -96.46,-214.57 ; U6.3@-53.15,-214.57 U6.3@-62.99,-214.57 -96.46,-214.57 ; C18.2@-46.93,-334.65 -11.81,-334.65 27.56,-295.28 D1.K@31.5,-295.28 ; U4.8@147.64,-385.83 147.64,-356.3 86.61,-295.28 D1.K@31.5,-295.28 ; -96.46,-214.57 -106.3,-224.41 -106.3,-275.59 -92.52,-289.37 U6.1@-62.99,-289.37 25.59,-289.37 D1.K@31.5,-295.28
  Bottom Layer w30: v1(7.87,-350.39) v1(51.18,-350.39) 141.02,-350.39 245.77,-455.14 279.21,-455.14 330.71,-403.65 330.71,-173.23 295.28,-137.8 295.28,145.67 417.32,267.72 v1(417.32,629.92) v1(417.32,657.48)
  other v1: -27.56,-417.32 -27.56,-377.95
pads on no net: D2.3 D2.4 D2.5 LS1.NC U1.3 U1.4 U1.43 U1.PAD U2.4 U3.5 U4.6 U4.7 U4.PAD U5.1 U5.2 U5.6 U5.16 U5.17 U5.18 U5.19 U5.23 U5.24 U5.25 U5.26 U5.27 U7.13 U12.3 U12.10 U12.14 U14.8 U15.10 U15.11 X7.6 X7.NC X8.6 X8.NC X9.A8 X9.B8 X9.NC

## Polygon pours and split planes (outlines as drawn)
GND on Top Layer "GND_L01_P030" (solid, remove dead copper, pour order 30): -688.98,-934.25 -688.98,934.25 cw(c-638.98,934.25) -638.98,984.25 570.87,984.25 cw(c570.87,866.14) 688.98,866.14 688.98,-866.14 cw(c570.87,-866.14) 570.87,-984.25 -638.98,-984.25 cw(c-638.98,-934.25)
VBUS on Top Layer "VBUS_L01_P027" (solid, remove dead copper, pour order 27): 173.23,-236.22 173.23,-330.71 251.97,-330.71 279.53,-303.15 318.9,-303.15 350.39,-334.65 350.39,-385.83 374.02,-385.83 381.89,-377.95 460.63,-377.95 472.44,-389.76 488.19,-389.76 488.19,-370.08 472.44,-354.33 409.45,-354.33 374.02,-318.9 373.2,-319.71 363.02,-319.71 338.58,-295.28 338.58,-236.22
VBUS on Top Layer "VBUS_L01_P026" (solid, remove dead copper, pour order 26): 460.63,-566.93 488.19,-539.37 488.19,-527.56 472.44,-527.56 455.55,-544.45 455.55,-546.31 414.32,-546.31 413.39,-547.24 413.39,-566.93
NetL1_1 on Top Layer "NETL1_1_L01_P023" (solid, remove dead copper, pour order 23): -125.98,-275.59 -173.23,-275.59 -185.04,-263.78 -185.04,-204.72 -255.91,-204.72 -255.91,-338.58 -185.04,-338.58 -185.04,-314.96 -173.23,-303.15 -125.98,-303.15
VBUS on Top Layer "VBUS_L01_P025" (solid, remove dead copper, pour order 25): 374.02,-653.54 370.08,-649.61 370.08,-610.24 350.39,-610.24 338.58,-622.05 338.58,-645.67 346.46,-653.54 346.46,-700.79 374.02,-700.79
3V3 on Top Layer "3V3_L01_P022" (solid, remove dead copper, pour order 22): -338.58,-185.04 -338.58,-374.02 -393.7,-374.02 -397.64,-370.08 -397.64,-326.77 -409.45,-314.96 -444.88,-314.96 -444.88,-204.72 -444.88,-185.04
3V3_CUT on Top Layer "3V3_CUT_L01_P021" (solid, remove dead copper, pour order 21): -381.89,-153.54 -358.27,-153.54 -358.27,-150.62 -345.79,-138.14 -346.46,-137.48 -346.46,-106.3 -303.15,-106.3 -303.15,-169.29 -381.89,-169.29
3V3_RADIO on Top Layer "3V3_RADIO_L01_P020" (solid, remove dead copper, pour order 20): -492.13,149.61 -590.55,149.61 -602.36,161.42 -629.92,161.42 -629.92,279.53 -618.11,291.34 -618.11,401.57 -559.06,401.57 -559.06,291.34 -578.74,271.65 -578.74,200.79 -492.13,200.79
VIN on Top Layer "VIN_L01_P018" (solid, remove dead copper, pour order 18): 192.91,677.17 224.41,708.66 397.64,708.66 433.07,673.23 433.07,606.3 275.59,606.3 251.97,629.92 192.91,629.92
VIN on Top Layer "VIN_L01_P005" (solid, remove dead copper, pour order 5): 31.5,-562.99 -133.86,-562.99 -133.86,-354.33 -98.43,-354.33 -55.12,-354.33 -55.12,-330.71 -55.12,-322.83 -59.06,-311.02 -82.68,-311.02 -90.55,-303.15 -90.55,-275.59 -23.62,-275.59 -7.87,-259.84 70.87,-259.84 70.87,-464.57 31.5,-503.94
3V3_CUT on Top Layer "3V3_CUT_L01_P014" (solid, remove dead copper, pour order 14): -492.13,-43.31 -586.61,-43.31 -598.43,-31.5 -622.05,-31.5 -622.05,3.94 -492.13,3.94
VBAT on Top Layer "VBAT_L01_P012" (solid, remove dead copper, pour order 12): 78.74,-401.57 78.74,-484.25 86.61,-492.13 137.8,-492.13 137.8,-401.57
NetQ6_D on Top Layer "NETQ6_D_L01_P009" (solid, remove dead copper, pour order 9): -440.94,-905.51 -440.94,-877.95 -456.69,-862.2 -456.69,-775.59 -362.2,-775.59 -362.2,-870.08 -370.08,-877.95 -370.08,-905.51
V_CUT on Top Layer "V_CUT_L01_P008" (solid, remove dead copper, pour order 8): -551.18,-704.72 -551.18,-870.08 -562.99,-881.89 -562.99,-960.63 -492.13,-960.63 -492.13,-881.89 -503.94,-870.08 -503.94,-704.72
V_CUT on Top Layer "V_CUT_L01_P007" (solid, remove dead copper, pour order 7): -629.92,-496.06 -629.92,-551.18 -551.18,-551.18 -547.24,-547.24 -515.75,-547.24 -515.75,-496.06
NetC24_2 on Top Layer "NETC24_2_L01_P006" (solid, remove dead copper, pour order 6): -346.46,-496.06 -334.65,-484.25 -334.65,-448.82 -232.28,-448.82 -232.28,-551.18 -330.71,-551.18 -346.46,-566.93 -417.32,-566.93 -417.32,-496.06
NetQ2_D on Top Layer "NETQ2_D_L01_P004" (solid, remove dead copper, pour order 4): 15.75,-625.98 110.24,-625.98 110.24,-795.28 15.75,-795.28
VBAT on Top Layer "VBAT_L01_P003" (solid, remove dead copper, pour order 3): 291.34,-917.32 397.64,-917.32 397.64,-885.83 444.88,-838.58 444.88,-807.09 381.89,-807.09 374.02,-799.21 374.02,-748.03 346.46,-748.03 346.46,-822.83 291.34,-877.95
NetJP1_2 on Top Layer "NETJP1_2_L01_P002" (solid, remove dead copper, pour order 2): 212.6,-956.69 251.97,-917.32 283.46,-917.32 283.46,-877.95 200.79,-877.95 200.79,-956.69
BGND on Top Layer "BGND_L01_P000" (solid, remove dead copper, pour order 0): 15.75,-807.09 15.75,-960.63 86.61,-960.63 86.61,-807.09
3V3 on Mid Layer 3 (PWR) "3V3_L04_P024" (solid, remove dead copper, pour order 24): -688.98,-934.25 -688.98,934.25 cw(c-638.98,934.25) -638.98,984.25 570.87,984.25 cw(c570.87,866.14) 688.98,866.14 688.98,-866.14 cw(c570.87,-866.14) 570.87,-984.25 -638.98,-984.25 cw(c-638.98,-934.25)
VBUS on Mid Layer 3 (PWR) "VBUS_L04_P017" (solid, remove dead copper, pour order 17): 287.4,-633.86 287.4,-527.56 149.61,-389.76 70.87,-389.76 70.87,-220.47 452.76,-220.47 519.69,-287.4 519.69,-744.09 458.66,-805.12
3V3_RADIO on Mid Layer 3 (PWR) "3V3_RADIO_L04_P019" (solid, remove dead copper, pour order 19): -677.17,31.5 -476.38,31.5 -476.38,307.09 -358.27,425.2 70.87,425.2 70.87,759.84 -677.17,759.84
V_CUT on Mid Layer 3 (PWR) "V_CUT_L04_P015" (solid, remove dead copper, pour order 15): -677.17,-389.76 -492.13,-389.76 -492.13,-708.66 -492.13,-972.44 -650.79,-972.44 -677.17,-946.06
3V3_CUT on Mid Layer 3 (PWR) "3V3_CUT_L04_P013" (solid, remove dead copper, pour order 13): 62.99,-641.73 -90.55,-641.73 -149.61,-582.68 -149.61,-421.85 -359.51,-421.85 -452.76,-328.61 -452.76,-145.67 -338.58,-145.67 -338.58,-55.12 -417.32,23.62 -677.17,23.62 -677.17,-381.89 -484.25,-381.89 -484.25,-972.44 62.99,-972.44
VIN on Mid Layer 3 (PWR) "VIN_L04_P016" (solid, remove dead copper, pour order 16): -86.61,-633.86 -141.73,-578.74 -141.73,-244.09 62.99,-244.09 62.99,-633.86
VBAT on Mid Layer 3 (PWR) "VBAT_L04_P010" (solid, remove dead copper, pour order 10): 456.69,-972.44 456.69,-814.96 279.53,-637.8 279.53,-531.5 145.67,-397.64 70.87,-397.64 70.87,-972.44
GND on Mid Layer 1 (GND) "GND_L02_P028" (solid, remove dead copper, pour order 28): -688.98,-934.25 -688.98,934.25 cw(c-638.98,934.25) -638.98,984.25 570.87,984.25 cw(c570.87,866.14) 688.98,866.14 688.98,-866.14 cw(c570.87,-866.14) 570.87,-984.25 -638.98,-984.25 cw(c-638.98,-934.25)
GND on Mid Layer 4 (GND) "GND_L05_P029" (solid, remove dead copper, pour order 29): -688.98,-934.25 -688.98,934.25 cw(c-638.98,934.25) -638.98,984.25 570.87,984.25 cw(c570.87,866.14) 688.98,866.14 688.98,-866.14 cw(c570.87,-866.14) 570.87,-984.25 -638.98,-984.25 cw(c-638.98,-934.25)
GND on Bottom Layer "GND_L06_P031" (solid, remove dead copper, pour order 31): -688.98,-934.25 -688.98,934.25 cw(c-638.98,934.25) -638.98,984.25 570.87,984.25 cw(c570.87,866.14) 688.98,866.14 688.98,-866.14 cw(c570.87,-866.14) 570.87,-984.25 -638.98,-984.25 cw(c-638.98,-934.25)

## Other copper
Top Layer:
  pour cut-out: -688.98,771.65 688.98,771.65 688.98,984.25 -688.98,984.25
Mid Layer 1 (GND):
  pour cut-out: -688.98,771.65 688.98,771.65 688.98,984.25 -688.98,984.25
Mid Layer 2 (SIG):
  pour cut-out: -688.98,771.65 688.98,771.65 688.98,984.25 -688.98,984.25
Mid Layer 3 (PWR):
  pour cut-out: -688.98,771.65 688.98,771.65 688.98,984.25 -688.98,984.25
  pour cut-out: -688.98,771.65 688.98,771.65 688.98,984.25 -688.98,984.25
Mid Layer 4 (GND):
  pour cut-out: -688.98,771.65 688.98,771.65 688.98,984.25 -688.98,984.25
Bottom Layer:
  pour cut-out: -688.98,771.65 688.98,771.65 688.98,984.25 -688.98,984.25

## Silkscreen, mask and mechanical layers (free items; w line width, h text height)
Top Overlay:
  text "RADIO" at 155.42,781.59 h27.56 r90
  text "MAIN" at 312.9,781.59 h27.56 r90
  text "RX" at 119.98,584.74 h27.56 r90
  text "DO" at -33.56,360.33 h27.56 r90
  text "DI" at 17.62,360.33 h27.56 r90
  text "CLK" at 68.8,360.33 h27.56 r90
  text "3V3_R" at -644.45,179.23 h27.56 r90
  text "CLK" at -261.72,124.11 h27.56
  text "DI" at -261.72,72.93 h27.56
  text "DO" at -261.72,21.75 h27.56
  text "OST / 2022" at 350.39,-11.81 h27.56
  text "VIN" at -88.49,-175.1 h27.56
  text "BUS" at 194.79,-175.1 h27.56 r90
  text "PEN" at 249.91,-175.1 h27.56 r90
  text "3V3_C" at -644.45,-186.91 h27.56 r90
  text "FB" at -643.8,-450.69 h27.56 r90
  text "GND" at 391.83,-742.03 h27.56
  text "Reefing System" at -645.1,-868.02 h27.56 r90
  text "V+" at 399.7,-887.7 h27.56
  text "+" at -592.43,-935.6 h27.56
  text "+" at -297.15,-935.6 h27.56
  text "-" at -356.2,-936.91 h27.56
  text "-" at -53.06,-936.91 h27.56
  text "-" at -17.62,-936.91 h27.56
  text "+" at 218.6,-939.54 h27.56
  text "CUT" at -454.82,-966.44 h27.56 r90
  text "TMP" at -155.61,-966.44 h27.56 r90
  text "BAT" at 127.86,-966.44 h27.56 r90
Bottom Overlay:
  lines w10: -629.92,-944.88 -629.92,708.66 354.33,708.66 354.33,-944.88 -629.92,-944.88
  text "Luca Jost / BA 2022 / Reefing System / Rev 1.0" at 641.73,708.66 h70 r90
  text "Battery" at 0,-118.11 h70
Mechanical 1:
  lines w10: -1053.15,2208.66 -1053.15,2237.4 ; -688.98,-934.25 ccw(c-638.98,-934.25) -638.98,-984.25 -531.5,-984.25 570.87,-984.25 ccw(c570.87,-866.14) 688.98,-866.14 688.98,866.14 ccw(c570.87,866.14) 570.87,984.25 -638.98,984.25 ccw(c-638.98,934.25) -688.98,934.25 -688.98,-905.51 -688.98,-934.25